# KiCad board cmrk.kicad_pcb
title: cmrk; rev: v1.0.0; company: Unknown
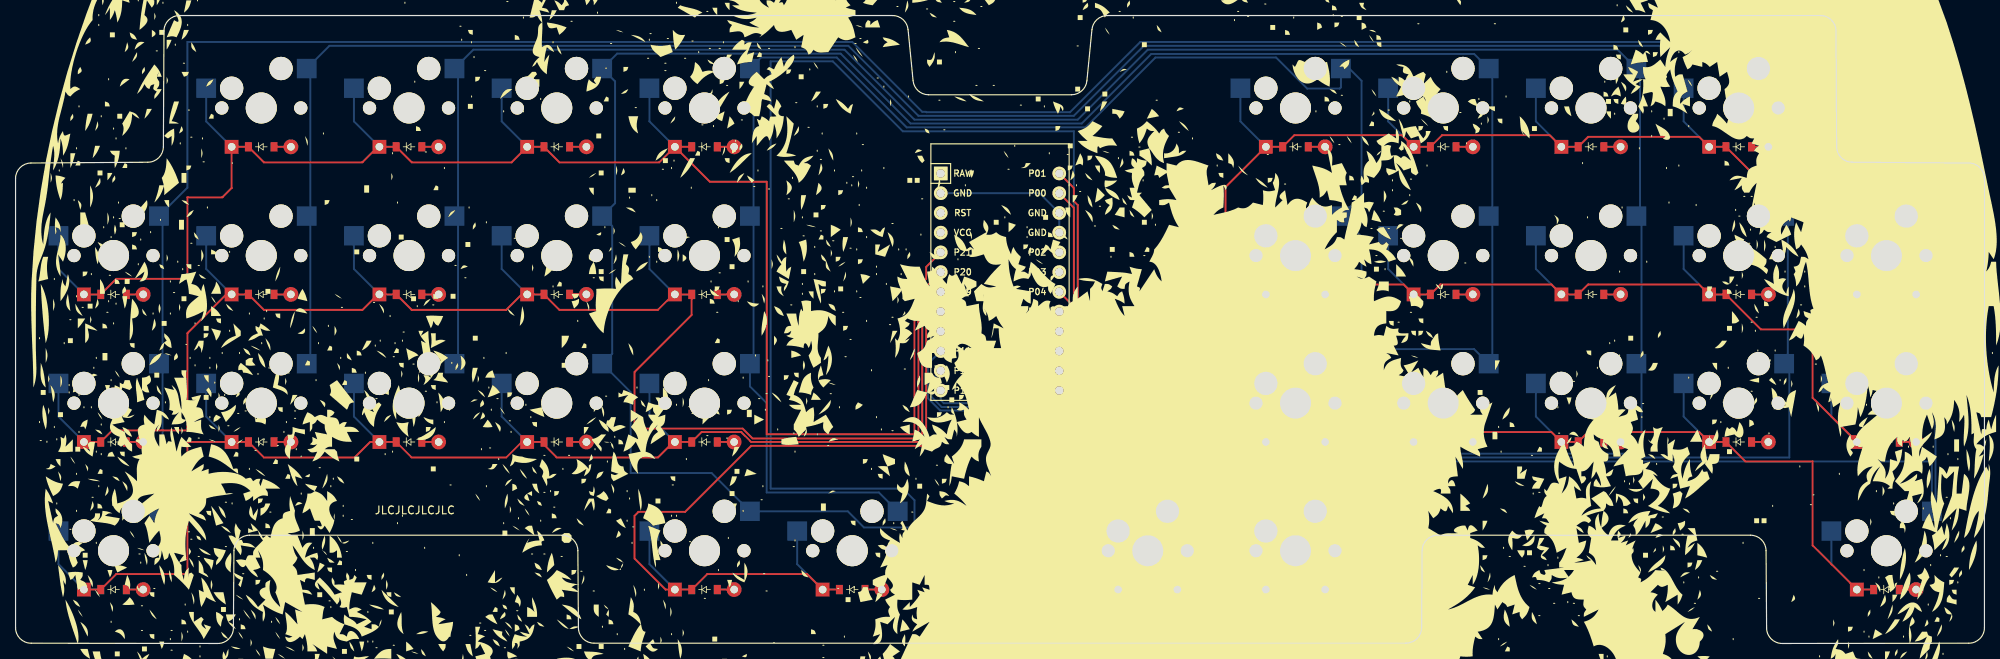
[diagram p0: board, top side]
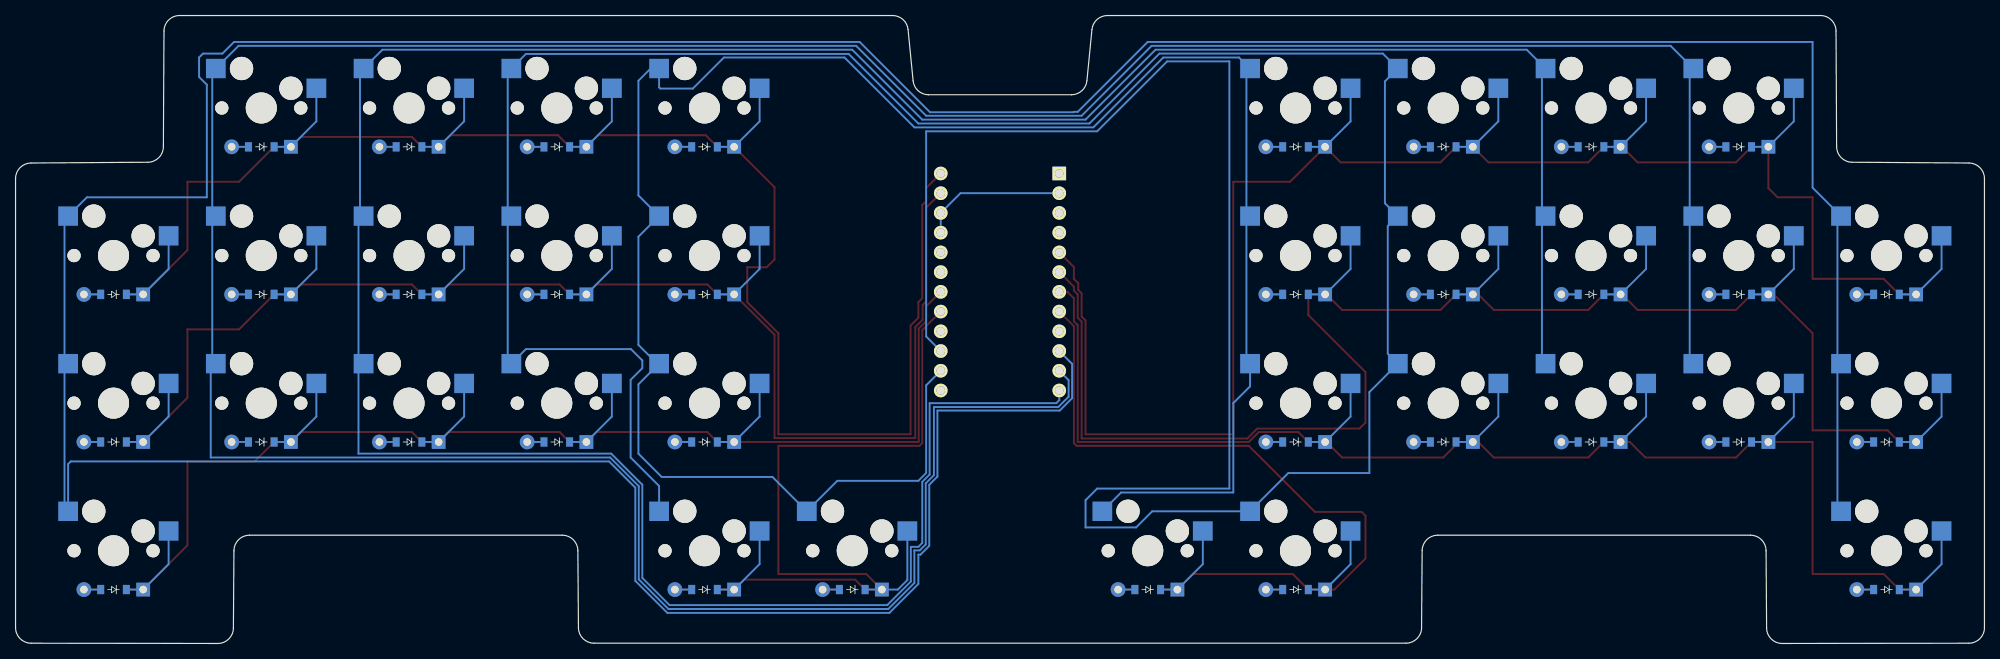
[diagram p1: board, bottom side, seen from below]

Outline 253.2 x 80.84 mm; copper layers: Top, Bottom. Coordinates in mm from the lower left corner of the outline.
Outline path: 0,59.85 0,2.03 arc(0.58,0.62) 2,0.03 26.01,0 arc(27.42,0.58) 28.01,1.99 28.09,11.95 arc(28.68,13.36) 30.09,13.94 70.31,13.94 arc(71.72,13.36) 72.31,11.95 72.39,2.02 arc(72.98,0.62) 74.39,0.04 178.81,0.04 arc(180.22,0.62) 180.81,2.02 180.89,11.95 arc(181.48,13.36) 182.89,13.94 223.11,13.94 arc(224.52,13.36) 225.11,11.95 225.19,1.99 arc(225.78,0.58) 227.19,0 251.2,0.03 arc(252.62,0.62) 253.2,2.03 253.2,59.85 arc(252.62,61.26) 251.21,61.85 236.18,61.95 arc(234.77,62.54) 234.19,63.94 234.11,78.85 arc(233.52,80.26) 232.11,80.84 140.41,80.84 arc(139.07,80.32) 138.42,79.03 137.78,72.44 arc(137.13,71.16) 135.79,70.64 117.41,70.64 arc(116.07,71.16) 115.42,72.44 114.78,79.03 arc(114.13,80.32) 112.79,80.84 21.09,80.84 arc(19.68,80.26) 19.09,78.85 19.01,63.94 arc(18.43,62.54) 17.02,61.95 1.99,61.85 arc(0.58,61.26) 0,59.85

## Placement (name value [footprint] x y rotation side)
D1  -  [ComboDiode]  12.6 6.94 0 top
D2  -  [ComboDiode]  12.6 25.94 0 top
D3  -  [ComboDiode]  12.6 44.94 0 top
D4  -  [ComboDiode]  31.6 25.94 0 top
D5  -  [ComboDiode]  31.6 44.94 0 top
D6  -  [ComboDiode]  31.6 63.94 0 top
D7  -  [ComboDiode]  50.6 25.94 0 top
D8  -  [ComboDiode]  50.6 44.94 0 top
D9  -  [ComboDiode]  50.6 63.94 0 top
D10  -  [ComboDiode]  69.6 25.94 0 top
D11  -  [ComboDiode]  69.6 44.94 0 top
D12  -  [ComboDiode]  69.6 63.94 0 top
D13  -  [ComboDiode]  88.6 25.94 0 top
D14  -  [ComboDiode]  88.6 44.94 0 top
D15  -  [ComboDiode]  88.6 63.94 0 top
D16  -  [ComboDiode]  88.6 6.94 0 top
D17  -  [ComboDiode]  107.6 6.94 0 top
D18  -  [ComboDiode]  240.6 6.94 0 top
D19  -  [ComboDiode]  240.6 25.94 0 top
D20  -  [ComboDiode]  240.6 44.94 0 top
D21  -  [ComboDiode]  221.6 25.94 0 top
D22  -  [ComboDiode]  221.6 44.94 0 top
D23  -  [ComboDiode]  221.6 63.94 0 top
D24  -  [ComboDiode]  202.6 25.94 0 top
D25  -  [ComboDiode]  202.6 44.94 0 top
D26  -  [ComboDiode]  202.6 63.94 0 top
D27  -  [ComboDiode]  183.6 25.94 0 top
D28  -  [ComboDiode]  183.6 44.94 0 top
D29  -  [ComboDiode]  183.6 63.94 0 top
D30  -  [ComboDiode]  164.6 25.94 0 top
D31  -  [ComboDiode]  164.6 44.94 0 top
D32  -  [ComboDiode]  164.6 63.94 0 top
D33  -  [ComboDiode]  164.6 6.94 0 top
D34  -  [ComboDiode]  145.6 6.94 0 top
MCU1  -  [ProMicro]  126.6 46.54 270 top
S1  -  [MX]  12.6 11.94 0 top
S2  -  [MX]  12.6 30.94 0 top
S3  -  [MX]  12.6 49.94 0 top
S4  -  [MX]  31.6 30.94 0 top
S5  -  [MX]  31.6 49.94 0 top
S6  -  [MX]  31.6 68.94 0 top
S7  -  [MX]  50.6 30.94 0 top
S8  -  [MX]  50.6 49.94 0 top
S9  -  [MX]  50.6 68.94 0 top
S10  -  [MX]  69.6 30.94 0 top
S11  -  [MX]  69.6 49.94 0 top
S12  -  [MX]  69.6 68.94 0 top
S13  -  [MX]  88.6 30.94 0 top
S14  -  [MX]  88.6 49.94 0 top
S15  -  [MX]  88.6 68.94 0 top
S16  -  [MX]  88.6 11.94 0 top
S17  -  [MX]  107.6 11.94 0 top
S18  -  [MX]  240.6 11.94 0 top
S19  -  [MX]  240.6 30.94 0 top
S20  -  [MX]  240.6 49.94 0 top
S21  -  [MX]  221.6 30.94 0 top
S22  -  [MX]  221.6 49.94 0 top
S23  -  [MX]  221.6 68.94 0 top
S24  -  [MX]  202.6 30.94 0 top
S25  -  [MX]  202.6 49.94 0 top
S26  -  [MX]  202.6 68.94 0 top
S27  -  [MX]  183.6 30.94 0 top
S28  -  [MX]  183.6 49.94 0 top
S29  -  [MX]  183.6 68.94 0 top
S30  -  [MX]  164.6 30.94 0 top
S31  -  [MX]  164.6 49.94 0 top
S32  -  [MX]  164.6 68.94 0 top
S33  -  [MX]  164.6 11.94 0 top
S34  -  [MX]  145.6 11.94 0 top

## Footprints (pads in the part's own frame, mm; a bottom-side part is the same pattern mirrored in y, then rotated)
ComboDiode
  rect 1.778x1.778 hole 0.991: 1(-3.81,0)
  rect 0.9x1.2 smd: 1(-1.65,0) 2(1.65,0)
  rect 0.9x1.2 smd far side: 1(-1.65,0) 2(1.65,0)
  round 1.905 hole 0.991: 2(3.81,0)
MX
  round 1.702 hole 1.702 unplated: (-5.08,0) (5.08,0)
  round 3 hole 3 unplated: (-3.81,2.54) (2.54,5.08)
  round 3.988 hole 3.988 unplated: (0,0)
  rect 2.55x2.5 smd far side: 1(-7.085,2.54) 2(5.842,5.08)
ProMicro
  rect 1.753x1.753 hole 1.092: 1(-13.97,-7.62)
  round 1.753 hole 1.092: 2(-11.43,-7.62) 3(-8.89,-7.62) 4(-6.35,-7.62) 5(-3.81,-7.62) 6(-1.27,-7.62) 7(1.27,-7.62) 8(3.81,-7.62) 9(6.35,-7.62) 10(8.89,-7.62) 11(11.43,-7.62) 12(13.97,-7.62) 13(-13.97,7.62) 14(-11.43,7.62) 15(-8.89,7.62) 16(-6.35,7.62) 17(-3.81,7.62) 18(-1.27,7.62) 19(1.27,7.62) 20(3.81,7.62) 21(6.35,7.62) 22(8.89,7.62) 23(11.43,7.62) 24(13.97,7.62)

## Nets
GND: MCU1.2 MCU1.15 MCU1.16
VCC: MCU1.4
index_bottom: D10.2
index_home: D11.2
index_top: D12.2
inner_bottom: D13.2
inner_home: D14.2
inner_top: D15.2
middle_bottom: D7.2
middle_home: D8.2
middle_top: D9.2
mirror_index_bottom: D27.2
mirror_index_home: D28.2
mirror_index_top: D29.2
mirror_inner_bottom: D30.2
mirror_inner_home: D31.2
mirror_inner_top: D32.2
mirror_middle_bottom: D24.2
mirror_middle_home: D25.2
mirror_middle_top: D26.2
mirror_pinky_bottom: D18.2
mirror_pinky_home: D19.2
mirror_pinky_top: D20.2
mirror_reachy_cluster: D34.2
mirror_ring_bottom: D21.2
mirror_ring_home: D22.2
mirror_ring_top: D23.2
mirror_tucky_cluster: D33.2
P0: D19.1 D22.1 D25.1 D28.1 D31.1 MCU1.14 S19.1 S22.1 S25.1 S28.1 S31.1
P1: D20.1 D23.1 D26.1 D29.1 D32.1 MCU1.13 S20.1 S23.1 S26.1 S29.1 S32.1
P2: MCU1.17
P3: MCU1.18
P4: D18.1 D21.1 D24.1 D27.1 D30.1 MCU1.19 S18.1 S21.1 S24.1 S27.1 S30.1
P5: D33.1 D34.1 MCU1.20 S33.1 S34.1
P6: MCU1.21
P7: MCU1.22 S10.2 S11.2 S12.2 S16.2 S27.2 S28.2 S29.2 S33.2
P8: MCU1.23 S13.2 S14.2 S15.2 S17.2 S30.2 S31.2 S32.2 S34.2
P9: MCU1.24
P10: MCU1.12 S7.2 S8.2 S9.2 S24.2 S25.2 S26.2
P14: MCU1.10 S1.2 S2.2 S3.2 S18.2 S19.2 S20.2
P15: MCU1.9
P16: MCU1.11 S4.2 S5.2 S6.2 S21.2 S22.2 S23.2
P18: D16.1 D17.1 MCU1.8 S16.1 S17.1
P19: D1.1 D4.1 D7.1 D10.1 D13.1 MCU1.7 S1.1 S4.1 S7.1 S10.1 S13.1
P20: D2.1 D5.1 D8.1 D11.1 D14.1 MCU1.6 S2.1 S5.1 S8.1 S11.1 S14.1
P21: D3.1 D6.1 D9.1 D12.1 D15.1 MCU1.5 S3.1 S6.1 S9.1 S12.1 S15.1
pinky_bottom: D1.2
pinky_home: D2.2
pinky_top: D3.2
RAW: MCU1.1
reachy_cluster: D17.2
ring_bottom: D4.2
ring_home: D5.2
ring_top: D6.2
RST: MCU1.3
tucky_cluster: D16.2

## Routing (per net, layer and track width the routed paths; a pad name or vN(x,y) marks a point on that pad's centre or on a via; arc(x,y) is an arc through that point)
GND: length 18.8
  Bottom w0.25: MCU1.2 131.68,57.97 MCU1.15 MCU1.16
index_bottom: length 4.3
  Top w0.25: D10.2 D10.2
  Bottom w0.25: D10.2 D10.2
index_home: length 4.3
  Top w0.25: D11.2 D11.2
  Bottom w0.25: D11.2 D11.2
index_top: length 4.3
  Top w0.25: D12.2 D12.2
  Bottom w0.25: D12.2 D12.2
inner_bottom: length 4.3
  Top w0.25: D13.2 D13.2
  Bottom w0.25: D13.2 D13.2
inner_home: length 4.3
  Top w0.25: D14.2 D14.2
  Bottom w0.25: D14.2 D14.2
inner_top: length 4.3
  Top w0.25: D15.2 D15.2
  Bottom w0.25: D15.2 D15.2
middle_bottom: length 4.3
  Top w0.25: D7.2 D7.2
  Bottom w0.25: D7.2 D7.2
middle_home: length 4.3
  Top w0.25: D8.2 D8.2
  Bottom w0.25: D8.2 D8.2
middle_top: length 4.3
  Top w0.25: D9.2 D9.2
  Bottom w0.25: D9.2 D9.2
mirror_index_bottom: length 4.3
  Top w0.25: D27.2 D27.2
  Bottom w0.25: D27.2 D27.2
mirror_index_home: length 4.3
  Top w0.25: D28.2 D28.2
  Bottom w0.25: D28.2 D28.2
mirror_index_top: length 4.3
  Top w0.25: D29.2 D29.2
  Bottom w0.25: D29.2 D29.2
mirror_inner_bottom: length 4.3
  Top w0.25: D30.2 D30.2
  Bottom w0.25: D30.2 D30.2
mirror_inner_home: length 4.3
  Top w0.25: D31.2 D31.2
  Bottom w0.25: D31.2 D31.2
mirror_inner_top: length 4.3
  Top w0.25: D32.2 D32.2
  Bottom w0.25: D32.2 D32.2
mirror_middle_bottom: length 4.3
  Top w0.25: D24.2 D24.2
  Bottom w0.25: D24.2 D24.2
mirror_middle_home: length 4.3
  Top w0.25: D25.2 D25.2
  Bottom w0.25: D25.2 D25.2
mirror_middle_top: length 4.3
  Top w0.25: D26.2 D26.2
  Bottom w0.25: D26.2 D26.2
mirror_pinky_bottom: length 4.3
  Top w0.25: D18.2 D18.2
  Bottom w0.25: D18.2 D18.2
mirror_pinky_home: length 4.3
  Top w0.25: D19.2 D19.2
  Bottom w0.25: D19.2 D19.2
mirror_pinky_top: length 4.3
  Top w0.25: D20.2 D20.2
  Bottom w0.25: D20.2 D20.2
mirror_reachy_cluster: length 4.3
  Top w0.25: D34.2 D34.2
  Bottom w0.25: D34.2 D34.2
mirror_ring_bottom: length 4.3
  Top w0.25: D21.2 D21.2
  Bottom w0.25: D21.2 D21.2
mirror_ring_home: length 4.3
  Top w0.25: D22.2 D22.2
  Bottom w0.25: D22.2 D22.2
mirror_ring_top: length 4.3
  Top w0.25: D23.2 D23.2
  Bottom w0.25: D23.2 D23.2
mirror_tucky_cluster: length 4.3
  Top w0.25: D33.2 D33.2
  Bottom w0.25: D33.2 D33.2
P0: length 221.3
  Top w0.25: MCU1.14 136.1,56.09 136.1,44.02 136.55,43.57 136.55,41.67 137.5,40.72 137.5,26.44 155.6,26.44 155.6,39.75 D31.1 D31.1 164.23,46.22 178.51,46.22 D28.1 D28.1 183.23,46.22 197.51,46.22 D25.1 D25.1 202.23,46.22 216.51,46.22 D22.1 D22.1 224.45,40.44 231.1,40.44 231.1,31.63 D19.1 D19.1
  Bottom w0.25: D22.1 D22.1 214.52,48.21 S22.1 ; D28.1 D28.1 176.52,48.21 S28.1 ; D19.1 D19.1 233.52,29.21 S19.1 ; D31.1 D31.1 157.52,48.21 S31.1 ; S25.1 195.52,48.21 D25.1 D25.1
P1: length 245.9
  Top w0.25: MCU1.13 136.1,58.63 136.1,56.94 136.6,56.44 136.6,44.44 137.1,43.94 137.1,41.94 138.1,40.94 138.1,26.94 155.1,26.94 155.1,39.94 159.1,43.94 159.1,48.44 156.6,48.44 155.6,49.44 155.6,58.75 D32.1 D32.1 164.45,65.44 178.29,65.44 D29.1 D29.1 183.45,65.44 197.29,65.44 D26.1 D26.1 202.23,65.22 216.51,65.22 D23.1 D23.1 224.45,59.44 231.1,59.44 231.1,50.63 D20.1 D20.1
  Bottom w0.25: D23.1 D23.1 214.52,67.21 S23.1 ; S20.1 233.52,48.21 D20.1 D20.1 ; S32.1 157.52,67.21 D32.1 D32.1 ; D26.1 D26.1 195.52,67.21 S26.1 ; S29.1 176.52,67.21 D29.1 D29.1
P4: length 195
  Top w0.25: D18.1 D18.1 231.1,12.63 231.1,23.44 222.45,23.44 D21.1 D21.1 216.51,27.22 202.23,27.22 D24.1 D24.1 197.51,27.22 183.23,27.22 D27.1 D27.1 178.51,27.22 164.23,27.22 D30.1 D30.1 137.1,25.94 137.05,25.99 137.05,40.53 136.1,41.48 136.1,43.39 MCU1.19
  Bottom w0.25: D18.1 D18.1 233.52,10.21 S18.1 ; D30.1 D30.1 157.52,29.21 S30.1 ; S27.1 176.52,29.21 D27.1 D27.1 ; D21.1 D21.1 214.52,29.21 S21.1 ; S24.1 195.52,29.21 D24.1 D24.1
P5: length 112.7
  Top w0.25: D33.1 D33.1 159.51,8.22 145.23,8.22 D34.1 D34.1 143.79,8.94 155.1,8.94 155.1,25.44 136.96,25.44 136.6,25.8 136.6,40.35 MCU1.20
  Bottom w0.25: D34.1 D34.1 139.74,6.94 138.52,8.16 S34.1 ; D33.1 D33.1 157.52,10.21 S33.1
P7: length 446.4
  Bottom w0.25: S33.2 170.44,20.28 174.1,23.94 174.1,33.94 172.6,35.44 172.6,36.44 174.06,37.89 187.57,37.89 S27.2 189.91,36.48 189.91,54.55 S28.2 189.91,55.48 189.91,73.55 S29.2 187.57,75.89 146.06,75.89 137.1,66.94 115.1,66.94 106.1,75.94 77.36,75.94 S12.2 77.1,72.36 77.1,56.68 S11.2 76.73,53.73 76.73,37.31 S10.2 79.1,32.36 79.1,21.94 89.52,21.94 S16.2 107.02,17.02 109.1,14.94 115.6,14.94 115.6,18.44 114.1,19.94 97.1,19.94 97.1,74.94 105.1,74.94 114.1,65.94 136.1,65.94 136.1,39.53 MCU1.22
P8: length 275.1
  Bottom w0.25: S34.2 155.86,21.44 170.1,21.44 173.1,24.44 173.1,33.36 S30.2 170.68,36.02 173.1,38.44 173.1,52.36 S31.2 173.1,57.68 173.1,72.44 171.52,74.02 S32.2 170.44,71.6 170.28,71.44 166.1,71.44 162.1,75.44 146.6,75.44 137.6,66.44 114.6,66.44 105.6,75.44 95.86,75.44 S15.2 94.91,73.55 94.91,55.48 S14.2 94.91,54.55 94.91,36.48 S13.2 94.44,33.1 96.6,30.94 96.6,19.44 111.02,19.44 S17.2 ; S34.2 147.52,20.94 137.1,20.94 136.1,21.94 136.1,33.23 MCU1.23 ; S34.2 151.44,17.89
P10: length 381
  Bottom w0.25: S7.2 56.91,36.48 56.91,54.55 S8.2 56.91,55.48 56.91,73.55 S9.2 58.86,76.44 106.6,76.44 115.6,67.44 136.6,67.44 145.6,76.44 206.02,76.44 S26.2 208.91,73.55 208.91,55.48 S25.2 209.1,54.36 209.1,36.68 S24.2 209.1,35.36 209.1,24.44 176.6,24.44 172.6,20.44 172.6,8.44 169.1,4.94 141.1,4.94 138.06,7.97 138.06,12.44 137.1,12.44 136.6,12.94 136.6,20.8 135.65,21.75 135.65,30.94 119.36,30.94 118.98,31.32 MCU1.12
P14: length 535
  Bottom w0.25: S1.2 18.91,17.48 18.91,35.55 S2.2 18.91,36.48 18.91,54.55 S3.2 22.1,58.68 22.1,77.44 107.6,77.44 116.6,68.44 117.1,68.44 117.15,68.39 135.6,68.39 144.65,77.44 225.1,77.44 226.6,75.94 229.1,75.94 229.6,75.44 229.6,72.94 228.6,71.94 228.6,57.44 244.02,57.44 S20.2 246.91,54.55 246.91,36.48 S19.2 246.91,35.55 246.91,17.48 S18.2 246.44,23.1 246.1,23.44 176.88,23.44 173.5,20.06 173.5,8.06 169.38,3.94 140.82,3.94 137.1,7.66 137.1,11.44 136.82,11.44 135.7,12.56 135.7,20.43 134.65,21.47 134.65,29.99 118.91,29.99 117.33,31.57 117.33,35.99 MCU1.10
P16: length 442.6
  Bottom w0.25: MCU1.11 117.78,33.9 117.78,31.76 119.1,30.44 135.1,30.44 135.1,21.66 136.15,20.61 136.15,12.75 136.91,11.99 137.61,11.99 137.61,7.79 140.96,4.44 169.24,4.44 173.05,8.25 173.05,20.25 176.74,23.94 228.1,23.94 228.1,35.36 S21.2 227.91,36.48 227.91,54.55 S22.2 227.91,55.48 227.91,73.55 S23.2 224.52,76.94 145.1,76.94 136.1,67.94 116.1,67.94 107.1,76.94 40.36,76.94 S6.2 37.91,73.55 37.91,55.48 S5.2 37.91,54.55 37.91,36.48 S4.2
P18: length 116.4
  Top w0.25: MCU1.8 117.1,40.85 117.1,25.8 116.74,25.44 94.6,25.44 86.1,16.94 80.1,16.94 79.6,16.44 79.6,10.94 83.6,6.94 D16.1 D16.1 88.95,8.94 101.79,8.94 D17.1 D17.1
  Bottom w0.25: S16.1 81.52,10.21 D16.1 D16.1 ; S17.1 100.52,10.21 D17.1 D17.1
P19: length 208.1
  Top w0.25: D1.1 D1.1 12.95,8.94 22.1,8.94 22.1,25.94 D4.1 D4.1 31.95,23.94 43.6,23.94 45.6,25.94 D7.1 D7.1 50.95,23.94 63.1,23.94 65.1,25.94 D10.1 D10.1 67.95,25.59 69.6,23.94 82.6,23.94 84.6,25.94 D13.1 D13.1 88.23,27.22 93.32,27.22 94.6,25.94 116.6,25.94 116.6,40.94 116.65,40.99 116.65,41.03 117.1,41.48 117.1,44.44 117.93,45.27 MCU1.7
  Bottom w0.25: S13.1 81.52,29.21 D13.1 D13.1 ; D7.1 D7.1 43.52,29.21 S7.1 ; S1.1 5.52,10.21 D1.1 D1.1 ; D10.1 D10.1 62.52,29.21 S10.1 ; D4.1 D4.1 24.52,29.21 S4.1
P20: length 233.1
  Top w0.25: MCU1.6 117.1,45.93 117.1,45.44 116.6,44.94 116.6,41.94 116.1,41.44 116.1,26.39 94.79,26.39 93.51,27.67 80.37,27.67 79.6,28.44 79.6,34.94 86.95,42.29 D14.1 D14.1 84.6,44.94 82.6,42.94 69.95,42.94 D11.1 D11.1 65.1,44.94 63.1,42.94 50.95,42.94 D8.1 D8.1 46.6,44.94 44.6,42.94 31.95,42.94 D5.1 D5.1 27.1,44.94 22.1,39.94 22.1,27.44 12.45,27.44 D2.1 D2.1
  Bottom w0.25: D11.1 D11.1 62.52,48.21 S11.1 ; S2.1 5.52,29.21 D2.1 D2.1 ; S14.1 81.52,48.21 D14.1 D14.1 ; S8.1 43.52,48.21 D8.1 D8.1 ; D5.1 D5.1 24.52,48.21 S5.1
P21: length 245.5
  Top w0.25: D15.1 82.79,61.94 69.95,61.94 D12.1 D12.1 63.79,61.94 50.95,61.94 D9.1 D9.1 46.6,63.94 44.6,61.94 31.95,61.94 D6.1 D6.1 27.79,58.63 26.6,57.44 22.1,57.44 22.1,46.94 12.95,46.94 D3.1 D3.1 ; D15.1 D15.1 ; D15.1 89.29,59.44 96.6,59.44 96.6,26.94 115.6,26.94 115.6,41.57 116.1,42.07 116.1,45.07 116.53,45.51 116.53,46.37 117.1,46.94 117.1,48.47 MCU1.5
  Bottom w0.25: S3.1 5.52,48.21 D3.1 D3.1 ; D15.1 D15.1 81.52,67.21 S15.1 ; S12.1 62.52,67.21 D12.1 D12.1 ; D9.1 D9.1 43.52,67.21 S9.1 ; S6.1 24.52,67.21 D6.1 D6.1
pinky_bottom: length 4.3
  Top w0.25: D1.2 D1.2
  Bottom w0.25: D1.2 D1.2
pinky_home: length 4.3
  Top w0.25: D2.2 D2.2
  Bottom w0.25: D2.2 D2.2
pinky_top: length 4.3
  Top w0.25: D3.2 D3.2
  Bottom w0.25: D3.2 D3.2
reachy_cluster: length 4.3
  Top w0.25: D17.2 D17.2
  Bottom w0.25: D17.2 D17.2
ring_bottom: length 4.3
  Top w0.25: D4.2 D4.2
  Bottom w0.25: D4.2 D4.2
ring_home: length 4.3
  Top w0.25: D5.2 D5.2
  Bottom w0.25: D5.2 D5.2
ring_top: length 4.3
  Top w0.25: D6.2 D6.2
  Bottom w0.25: D6.2 D6.2
tucky_cluster: length 4.3
  Top w0.25: D16.2 D16.2
  Bottom w0.25: D16.2 D16.2

## Text on the board
F.Silkscreen: JLCJLCJLCJLC
